# Altium PCB SNES_DRONE_PCB.PcbDoc (part 1 of 2)
Units mm, origin at the board's own origin, x right, y up, seen from the top; angles counter-clockwise.
Board outline 102 x 100 mm, 2 copper layers (Top Layer, Bottom Layer), stack 1.336 mm thick; 102 components, 110 nets, 473 pads, 169 vias.
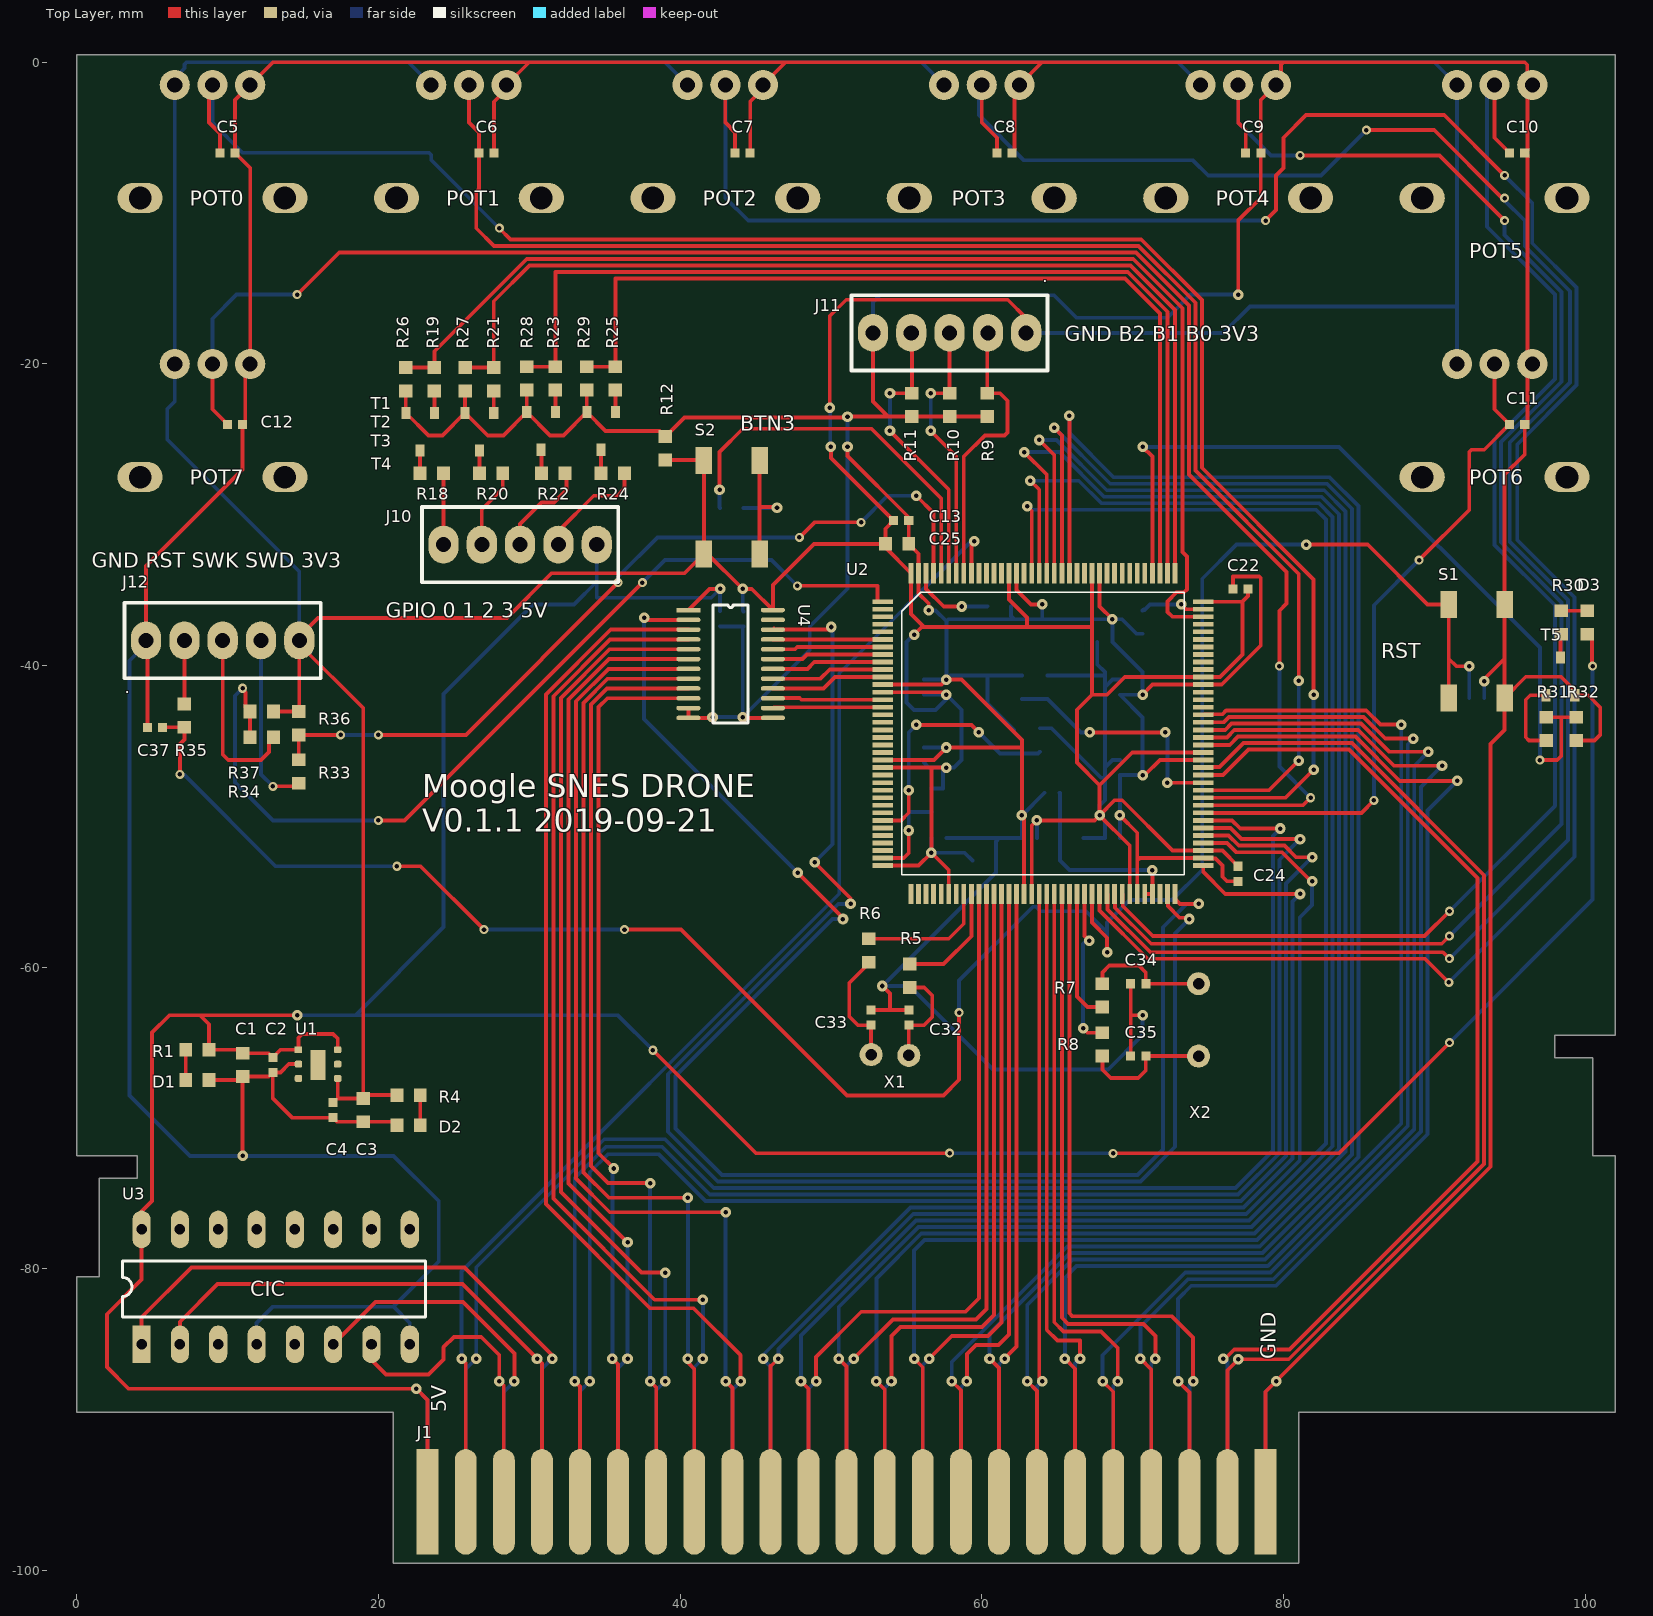
[diagram p0: Top Layer view]
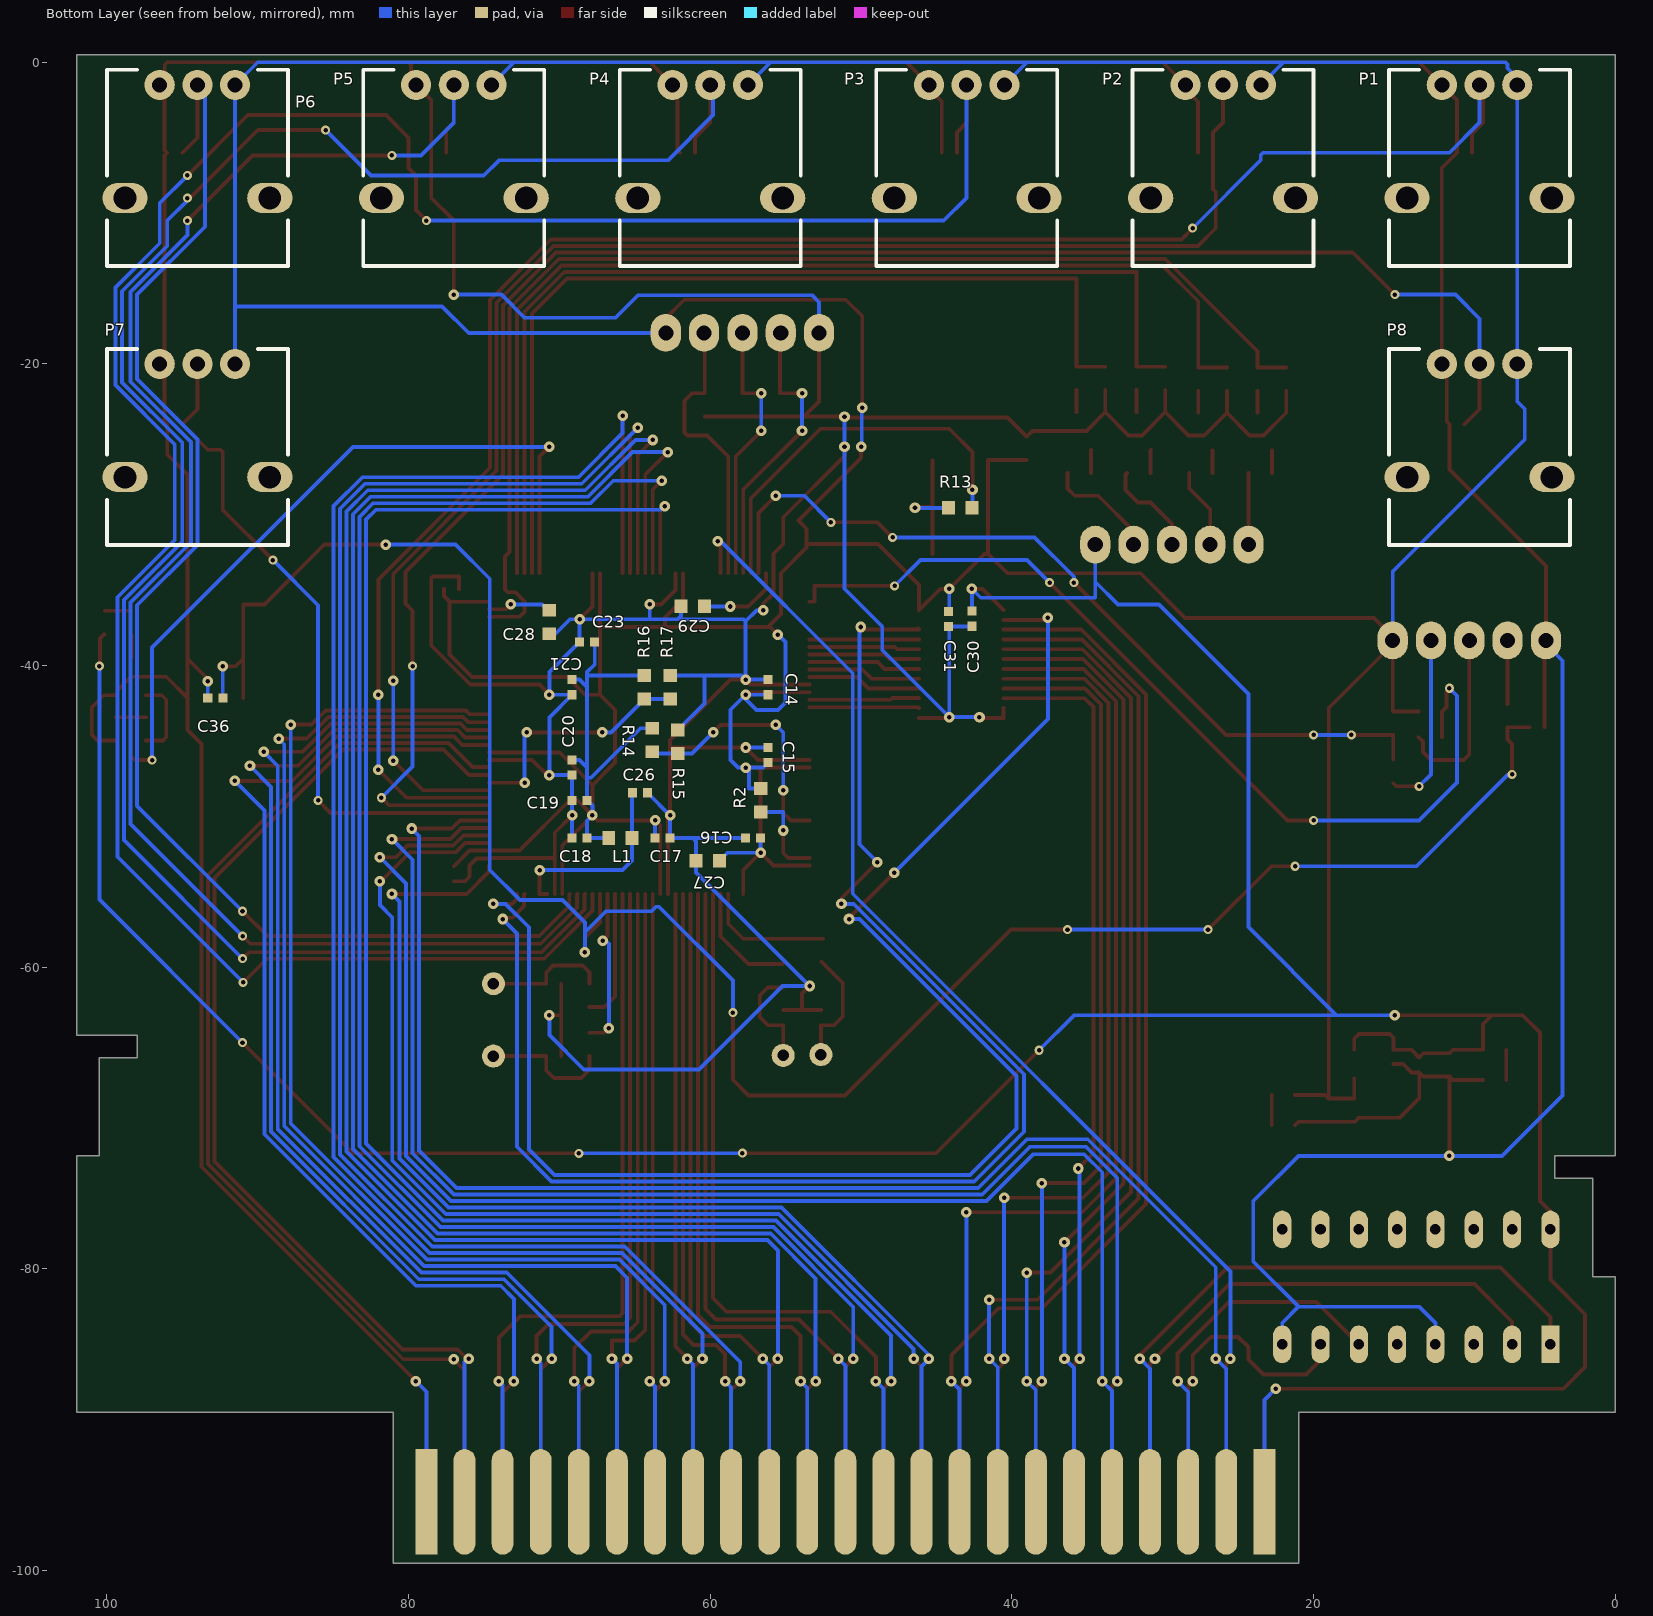
[diagram p1: Bottom Layer view, seen from below]
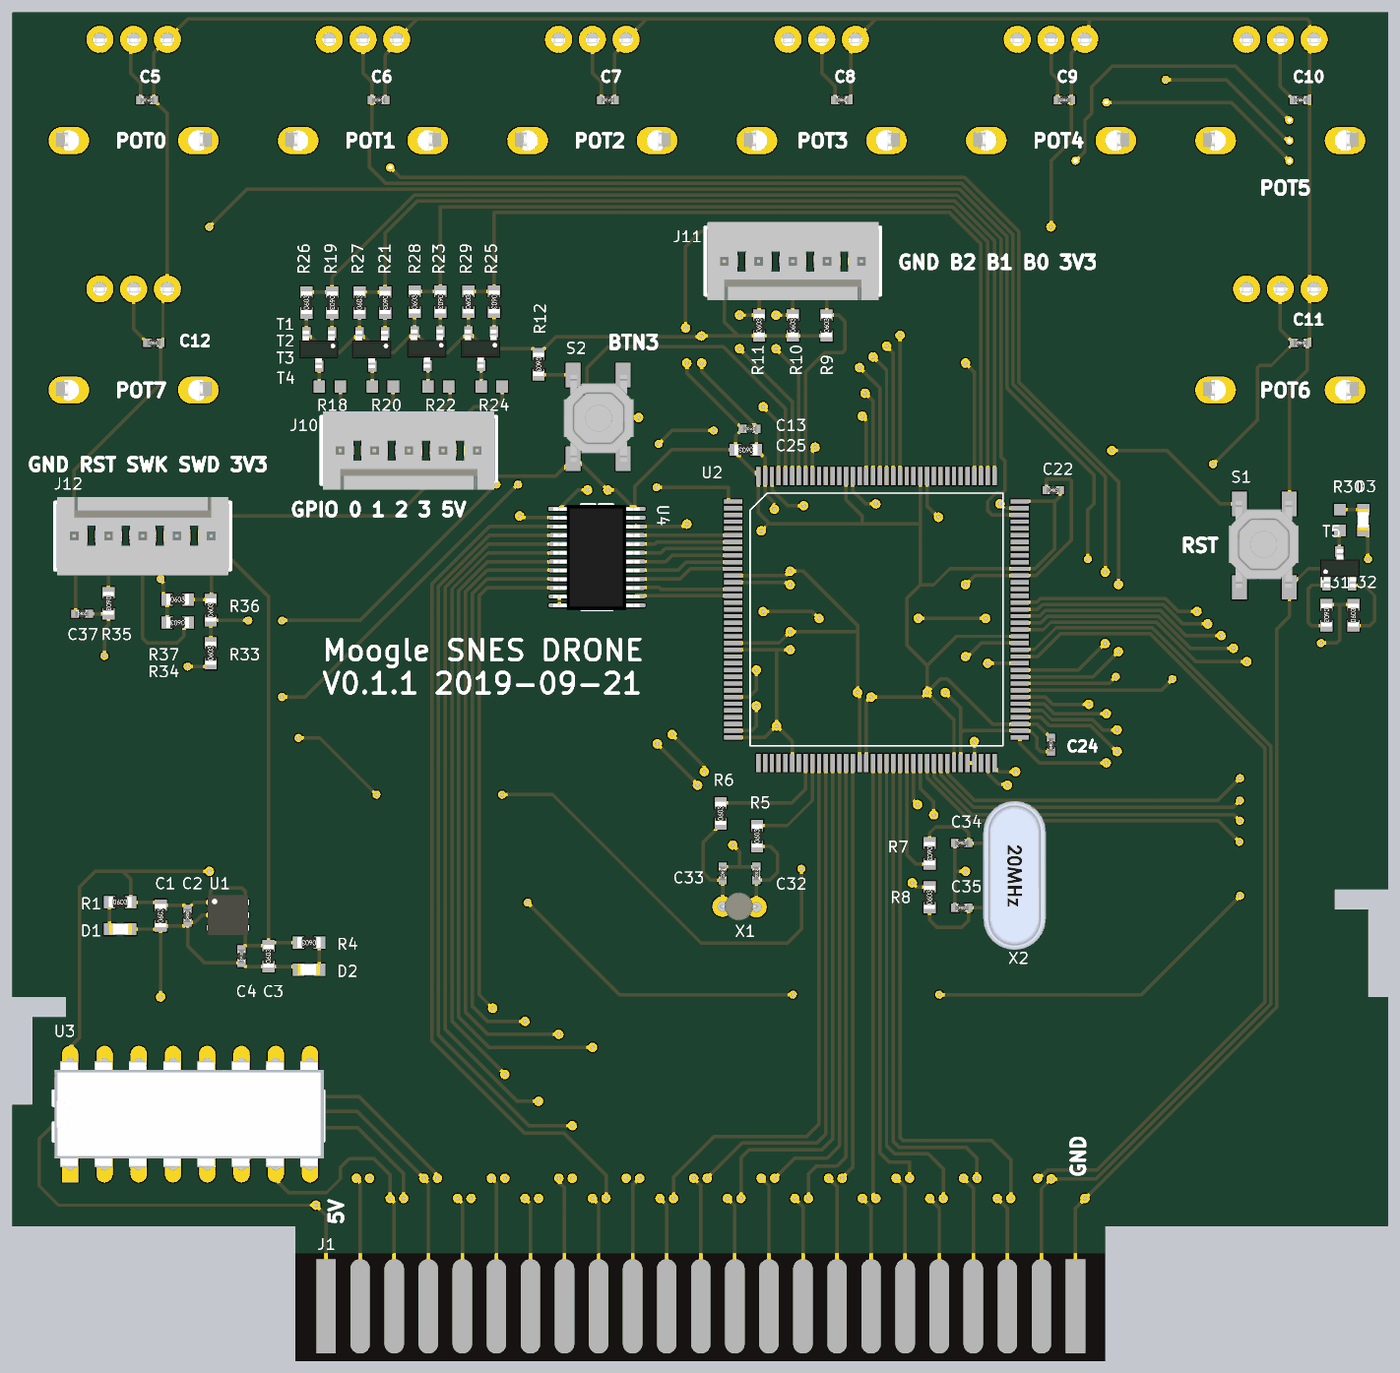
[diagram p3: 3D render of the assembled board from above, using the file's embedded part models]
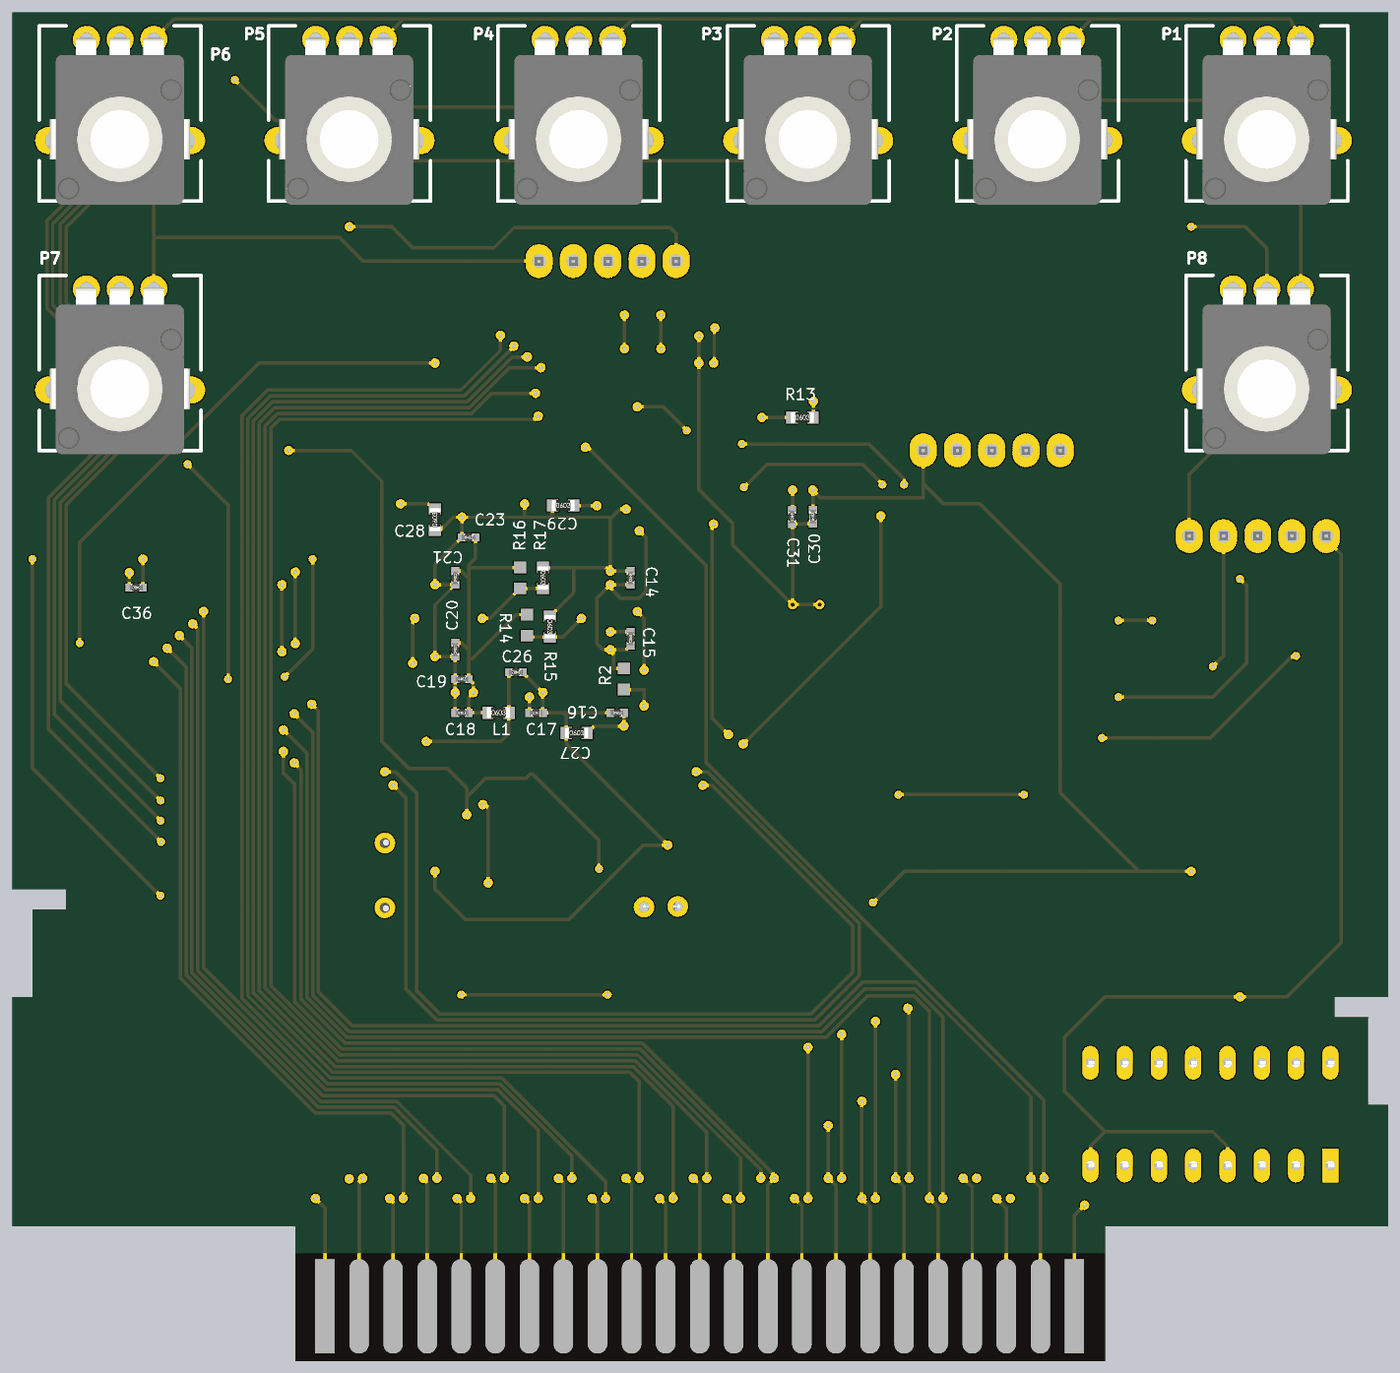
[diagram p4: 3D render of the assembled board from below, using the file's embedded part models]

## Layer stack, top to bottom
Top Solder: solder mask 0.0102, Solder Resist, Dk 3.5
Top Layer: signal copper 0.018
Dielectric 1: dielectric 1.3, FR-4, Dk 4.8
Bottom Layer: signal copper 0.018
Bottom Solder: solder mask 0.0102, Solder Resist, Dk 3.5

## Board outline
98,-64.5 98,-66 100.5,-66 100.5,-72.5 102,-72.5 102,-89.5 81,-89.5 81,-99.5 21,-99.5 21,-89.5 0,-89.5 0,-80.5 1.5,-80.5 1.5,-74 4,-74 4,-72.5 0,-72.5 0,0.5 102,0.5 102,-64.5

## Design rules (kind name [scope] priority, off if disabled: settings)
Clearance [All] p1: gap=0.178 ignorepadtopadclearanceinfootprint=FALSE
Height [All] p1: minheight=0 maxheight=50 prefheight=12.7
MinimumAnnularRing [All] p1: minimumring=0.15
PolygonConnect [All] p1: connectstyle=Relief reliefconductorwidth=0.254 reliefentries=4 polygonreliefangle="90 Angle" airgapwidth=0.254
RoomDefinition U_SNES_DRONE_PSU [InComponentClass('U_SNES_DRONE_PSU')] p1: confinementstyle=ConfineIn formatcopy=TRUE lockcomponents=FALSE outline 0,-99.5 120,-99.5 120,24.5 0,24.5
RoomDefinition U_SNES_DRONE_MCU [InComponentClass('U_SNES_DRONE_MCU')] p2: confinementstyle=ConfineIn formatcopy=TRUE lockcomponents=FALSE outline 0,-99.5 120,-99.5 120,24.5 0,24.5
RoomDefinition U_SNES_DRONE_GPIO [InComponentClass('U_SNES_DRONE_GPIO')] p3: confinementstyle=ConfineIn formatcopy=TRUE lockcomponents=FALSE outline 0,-99.5 120,-99.5 120,24.5 0,24.5
RoomDefinition U_SNES_DRONE_CART [InComponentClass('U_SNES_DRONE_CART')] p4: confinementstyle=ConfineIn formatcopy=TRUE lockcomponents=FALSE outline 0,-99.5 120,-99.5 120,24.5 0,24.5
RoutingVias [All] p1: holewidth=0.3 width=0.6 viastyle="Through Hole" minholewidth=0.3 minwidth=0.6 maxholewidth=0.3 maxwidth=0.6
SolderMaskExpansion [All] p1: expansion=0.102
Width [All] p1: maxlimit=2.54 minlimit=0.203 preferedwidth=0.254
29 further rules are at their usual default settings.

## Classes and differential pairs
net class GPIO[3..0]: GPIO0 GPIO1 GPIO2 GPIO3
component class U_SNES_DRONE_PSU: C1 C2 C3 C4 C13 C14 C15 C16 C17 C18 C19 C20 C21 C22 C23 C24 C25 D1 D2 R1 R4 U1
net class BTN[3..0]: BTN0 BTN1 BTN2 BTN3
net class MCU_POT[7..0]: MCU_POT0 MCU_POT1 MCU_POT2 MCU_POT3 MCU_POT4 MCU_POT5 MCU_POT6 MCU_POT7
component class U_SNES_DRONE_GPIO: C5 C6 C7 C8 C9 C10 C11 C12 D3 J10 J11 P1 P2 P3 P4 P5 P6 P7 P8 R9 R10 R11 R12 R13 R18 R19 R20 R21 R22 R23 R24 R25 R26 R27 R28 R29 R30 R31 R32 S2 T1 T2 T3 T4 T5
net class DATA[7..0]: DATA0 DATA1 DATA2 DATA3 DATA4 DATA5 DATA6 DATA7
net class ADR[23..0]: ADR0 ADR1 ADR2 ADR3 ADR4 ADR5 ADR6 ADR7 ADR8 ADR9 ADR10 ADR11 ADR12 ADR13 ADR14 ADR15 ADR16 ADR17 ADR18 ADR19 ADR20 ADR21 ADR22 ADR23
component class U_SNES_DRONE_MCU: C26 C27 C28 C29 C32 C33 C34 C35 C36 C37 J12 L1 R2 R5 R6 R7 R8 R14 R15 R16 R17 R33 R34 R35 R36 R37 S1 U2 X1 X2
component class U_SNES_DRONE_CART: C30 C31 J1 U3 U4

## Components (designator, comment, footprint, x,y, rotation, side; value= is the part's Value field where it differs from the comment)
C1 "1u/10V" 0603_RES 11,-66.47 r90 top
C2 "100n/16V" 0402_RES 13,-66.47 r90 top
C3 "1u/10V" 0603_RES 19,-69.47 r90 top
C4 "100n/16V" 0402_RES 17,-69.47 r90 top
C5 "10n/50V" 0402_RES 10,-6 r180 top
C6 "10n/50V" 0402_RES 27.165,-6 r180 top
C7 "10n/50V" 0402_RES 44.15,-6 r180 top
C8 "10n/50V" 0402_RES 61.5,-6 r180 top
C9 "10n/50V" 0402_RES 78,-6 r180 top
C10 "10n/50V" 0402_RES 95.5,-6 r180 top
C11 "10n/50V" 0402_RES 95.5,-24 r180 top
C12 "10n/50V" 0402_RES 10.5,-24 r180 top
C13 "100n/16V" 0402_RES 54.66,-30.376 r180 top
C14 "100n/16V" 0402_RES 56.16,-41.43 r270 bottom
C15 "100n/16V" 0402_RES 56.16,-45.93 r270 bottom
C16 "100n/16V" 0402_RES 57.16,-51.43 r180 bottom
C17 "100n/16V" 0402_RES 63.16,-51.43 r0 bottom
C18 "100n/16V" 0402_RES 68.66,-51.43 r180 bottom
C19 "100n/16V" 0402_RES 68.66,-48.93 r180 bottom
C20 "100n/16V" 0402_RES 69.16,-46.76 r90 bottom
C21 "100n/16V" 0402_RES 69.156,-41.43 r90 bottom
C22 "100n/16V" 0402_RES 77.16,-34.93 r0 top
C23 "100n/16V" 0402_RES 68.16,-38.43 r180 bottom
C24 "100n/16V" 0402_RES 76.999,-53.8 r90 top
C25 "4.7u/16V" 0603_RES 54.385,-31.93 r180 top
C26 "100n/16V" 0402_RES 64.66,-48.43 r0 bottom
C27 "1u/10V" 0603_RES 60.16,-52.93 r180 bottom
C28 "2u2/10V" 0603_RES 70.66,-37.11 r90 bottom
C29 "2u2/10V" 0603_RES 61.16,-36.06 r180 bottom
C30 "100n/16V" 0402_RES 42.65,-36.89 r90 bottom
C31 "100n/16V" 0402_RES 44.2,-36.915 r270 bottom
C32 "2.7p/50V" 0402_RES 55.165,-63.34 r270 top
C33 "2.7p/50V" 0402_RES 52.665,-63.34 r270 top
C34 "2.7p/50V" 0402_RES 70.375,-61.09 r0 top
C35 "2.7p/50V" 0402_RES 70.375,-65.89 r0 top
C36 "100n/16V" 0402_RES 92.815,-42.14 r0 bottom
C37 "100n/16V" 0402_RES 5.182,-44.09 r0 top
D1 "RED LED" 0603_LED 8,-67.47 r0 top value=RED
D2 "RED LED" 0603_LED 22,-70.47 r180 top value=RED
D3 "RED LED" 0603_LED 100.144,-37.14 r90 top value=RED
J1 "SNES Cartridge Connector" "SNES Cartridge Connector" 23.265,-95.44 r0 top net-tie
J10 "MOLEX_22-27-2051" MOLEX_22-27-2051 29.395,-31.973 r180 top
J11 "MOLEX_22-27-2051" MOLEX_22-27-2051 57.865,-17.94 r180 top
J12 "MOLEX_22-27-2051" MOLEX_22-27-2051 9.676,-38.332 r0 top
L1 "470R100MHz" 0603_RES 65.956,-51.43 r180 bottom
P1 "RES_POT_100k_LIN_ALPHA_EURACK" ALPHA_T18 9,-1.5 r0 bottom value="100k lin"
P2 "RES_POT_100k_LIN_ALPHA_EURACK" ALPHA_T18 26,-1.5 r0 bottom value="100k lin"
P3 "RES_POT_100k_LIN_ALPHA_EURACK" ALPHA_T18 43,-1.5 r0 bottom value="100k lin"
P4 "RES_POT_100k_LIN_ALPHA_EURACK" ALPHA_T18 60,-1.5 r0 bottom value="100k lin"
P5 "RES_POT_100k_LIN_ALPHA_EURACK" ALPHA_T18 77,-1.5 r0 bottom value="100k lin"
P6 "RES_POT_100k_LIN_ALPHA_EURACK" ALPHA_T18 94,-1.5 r0 bottom value="100k lin"